# KiCad board LV08.kicad_pcb (continued)
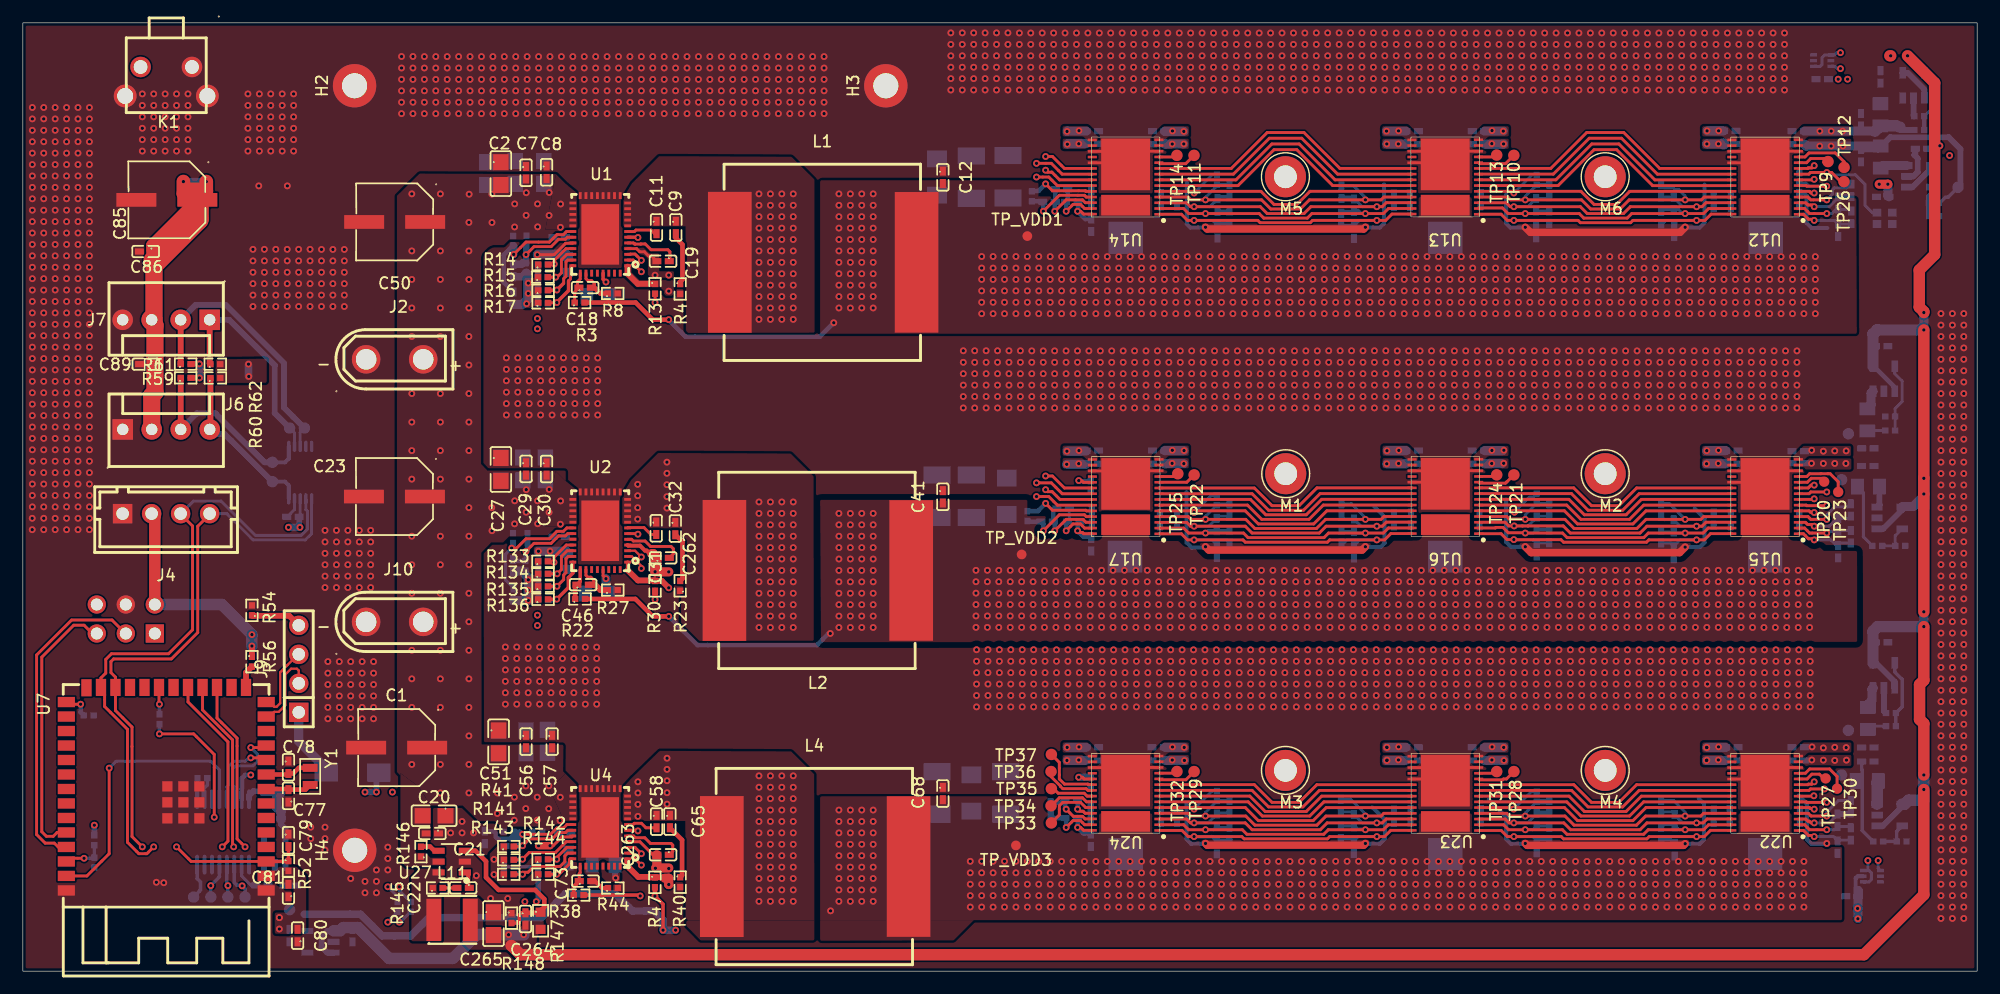
[diagram p0: board, top side]
## Routing (per net, layer and track width the routed paths; a pad name or vN(x,y) marks a point on that pad's centre or on a via; arc(x,y) is an arc through that point) (continued)
Net-(C114-Pad2): length 6.7
  Top w0.254: v1(89.36,66.59) 90.76,68 92.96,68 93.11,67.84 U14.25
  Bottom w0.4: v1(89.36,66.59) 89.36,67.37 C114.2 89.26,67.47 R78.1
Net-(C127-Pad1): length 5.5
  Top w0.254: v1(157.96,39.59) 156.56,39.59 156.32,39.84 U15.4
  Bottom w0.254: C127.1 159.79,40.7 158.68,40.7 157.96,39.98 v1(157.96,39.59)
Net-(C134-Pad2): length 28.6
  Top w0.254: U15.25 147.18,39.84 146.94,39.59 v1(145.56,39.59) 142.14,39.59 141.34,38.8 135.84,38.8 135.03,39.59 v1(131.56,39.59) 131.53,39.62 130.16,39.62 129.94,39.84 U16.4
  Bottom w0.254: v1(131.56,39.59) 131.56,39.99 R91.1 133.63,40.99 C135.1 ; v1(145.56,39.59) 144.19,40.97 C134.2
Net-(C142-Pad2): length 28.6
  Top w0.254: U17.4 102.05,39.83 102.28,39.59 v1(103.56,39.59) 107.09,39.59 107.89,38.8 113.28,38.8 114.08,39.59 v1(117.56,39.59) 118.94,39.59 119.18,39.84 U16.25
  Bottom w0.254: v1(103.56,39.59) 103.56,39.86 R92.1 104.66,40.96 C143.1 ; C142.2 116.34,40.96 117.56,39.74 v1(117.56,39.59)
Net-(C150-Pad2): length 7
  Top w0.254: U17.25 93.12,39.83 92.96,40 90.76,40 v1(89.36,38.59)
  Bottom w0.4: v1(89.36,38.59) 89.36,39.18 C150.2 88.02,39.4 R100.1
Net-(C208-Pad1): length 5.4
  Top w0.254: v1(157.96,13.59) 156.59,13.59 156.35,13.83 U22.4
  Bottom w0.254: v1(157.96,13.59) 157.96,13.94 158.98,14.96 C208.1
Net-(C215-Pad2): length 28.7
  Top w0.254: U22.25 147.17,13.83 146.94,13.59 v1(145.56,13.59) 142.1,13.59 141.3,12.8 135.84,12.8 135.03,13.59 v1(131.56,13.59) 130.19,13.59 129.95,13.83 U23.4
  Bottom w0.254: v1(145.56,13.59) 145.56,13.94 144.54,14.96 C215.2 ; R117.1 131.56,13.85 v1(131.56,13.59)
  Bottom w0.508: C216.1 133.55,14.85 R117.1
Net-(C223-Pad2): length 28.8
  Top w0.254: U23.25 119.17,13.83 118.94,13.59 v1(117.56,13.59) 114.11,13.59 113.31,12.8 107.89,12.8 107.09,13.59 v1(103.56,13.59) 102.28,13.59 102.04,13.84 U24.4
  Bottom w0.254: v1(117.56,13.59) 117.56,13.78 116.27,15.07 116.27,15.07 C223.2 ; v1(103.56,13.59) 103.56,13.92 R118.1 104.6,14.96 C224.1
Net-(C231-Pad2): length 2.3
  Top w0.254: v1(92.36,14.2) 92.53,14.02 92.84,14.02 93.02,13.84 U24.25
  Bottom w0.4: C231.2 92.36,15.02 v1(92.36,14.2)
Net-(D1-A): length 6.2
  Bottom w0.8: D1.1 26.56,17.75 24.16,20.15 J9.1
Net-(J9-Pad4): length 4.5
  Top w0.508: J9.4 23.32,31.15 20.1,31.15 R54.1
Net-(U1-ADRSEL): length 5.1
  Top w0.254: 47.32,60.25 47.36,60.3 47.36,60.7 47.56,60.9 47.56,62.17 47.71,62.32 U1.31
  Top w0.3: R16.2 46.49,59.67 46.51,59.7 v1(46.76,59.7) 47.32,60.25
  Bottom w0.254: v1(46.76,59.7) 45.99,59.7 R9.2
Net-(U1-AVIN): length 11.6
  Top w0.254: U1.26 47.61,64.82 47.34,64.55 46.76,64.55 46.11,63.9 44.06,63.9 v1(42.98,62.82) 42.96,62.8
  Bottom w0.4: R1.1 42.91,63.57 42.11,62.77 42.11,60.37 C10.1
  Bottom w0.65: v1(42.98,62.82) 42.98,63.52 R1.1
Net-(U1-BOOT): length 2.7
  Top w0.254: C11.2 55.33,64.63 55,64.95 53.69,64.95 53.55,64.82 U1.7
Net-(U1-BP1V5): length 21.2
  Top w0.254: U1.4 53.74,63.32 54.02,63.05 54.42,63.05 54.78,62.69 55.04,62.69 C19.2
  In2.Cu w0.508: v1(56.56,61) v1(55.36,61) 55.36,60.3 51.36,56.3 v1(45.06,56.3)
  In2.Cu w0.65: v1(45.06,57.2) v1(45.06,56.3)
  Bottom w0.508: R6.1 R10.1
Net-(U1-DRTN): length 4.9
  Top w0.254: U1.5 53.46,63.82 53.55,63.73 53.6,63.73 53.62,63.72 54.1,63.72 54.12,63.73 54.5,63.73 55.01,63.23 56.48,63.23 56.66,63.05 56.66,62.27 C19.1
Net-(U1-EN/UVLO): length 7.4
  Top w0.254: v1(44.06,62.8) 44.76,63.5 46.26,63.5 46.91,64.15 47.51,64.15 47.68,64.32 U1.27
  Bottom w0.508: R2.1 44.06,63.54 R5.2
  Bottom w0.65: R5.2 43.76,62.06 43.65,61.95 C17.2
Net-(U1-GOSNS/SLAVE): length 3.5
  Top w0.254: U1.34 49.31,60.69 49.48,60.52 49.8,60.52 50.04,60.28 50.04,60.16 C18.2
  Top w0.4: C18.2 50.05,59.9 50.56,59.39 R8.1
Net-(U1-MSEL1): length 5.5
  Top w0.254: 48.06,61.82 U1.32 47.96,61.62 47.96,60.67 47.79,60.5 ; v1(46.76,58.6) 46.74,58.6 46.71,58.57 R17.2
  Top w0.3: v1(46.76,58.6) 46.76,58.62 47.79,59.65 47.79,60.5
  Bottom w0.254: R10.2 46.06,58.62 46.74,58.62 v1(46.76,58.6)
Net-(U1-MSEL2): length 3.7
  Top w0.254: 46.16,61.92 R14.2 46.04,61.97 v1(46.53,61.97) 46.53,62.29 47.56,63.32 U1.29
  Bottom w0.254: 46.58,61.97 v1(46.53,61.97) R6.2
Net-(U1-VDD5): length 6.3
  Top w0.254: U1.28 48.13,63.79 47.53,63.79 46.53,62.79 v1(45.05,62.79)
  Bottom w0.8: v1(45.05,62.79) 45.1,62.84 47.54,62.84 C16.2
Net-(U1-VOSNS): length 2.9
  Top w0.254: R3.1 48.32,59.51 48.69,59.88 C18.1 48.57,60.03 48.57,60.43 48.81,60.67 U1.33
Net-(U1-VSEL): length 4.4
  Top w0.254: R15.2 v1(46.66,60.82) 46.79,60.82 47.16,61.2 47.16,62.35 47.63,62.82 U1.30
  Bottom w0.254: v1(46.66,60.82) R7.2
Net-(U2-ADRSEL): length 5
  Top w0.254: U2.31 47.76,36.35 47.56,36.15 47.56,34.92 47.36,34.72 47.36,34.32 v1(46.77,33.73) R135.2
  Bottom w0.4: R131.2 46.07,33.73 v1(46.77,33.73)
Net-(U2-AVIN): length 10.6
  Top w0.254: U2.26 47.64,38.85 47.34,38.55 46.76,38.55 46.11,37.9 44.06,37.9 43.24,37.08 v1(42.8,37.08)
  Bottom w0.254: C33.1 42.96,33.59 42.28,34.27 42.28,36.56 v1(42.8,37.08) 42.92,37.19 R20.1
Net-(U2-BOOT): length 2.8
  Top w0.254: C31.2 55,38.27 54.99,38.27 54.39,38.87 52.98,38.87 U2.7
Net-(U2-BP1V5): length 25.6
  Top w0.35: U2.4 53.01,37.29 54.04,37.29 54.47,36.86 54.63,36.86 54.75,36.73 55.31,36.73 55.52,36.53 C262.1
  Top w0.8: v1(56.56,35) 55.67,35 55.52,35.15 ; 55.52,35.15 55.37,35 v1(55.36,35) 55.36,36.43 55.2,36.59 55.06,36.59 ; 55.52,35.15 C262.1
  In2.Cu w0.508: v1(45.06,31.2) v1(45.06,30.3)
  In2.Cu w0.65: v1(45.06,30.3) 51.36,30.3 55.36,34.3 v1(55.36,35)
  Bottom w0.508: R129.1 R132.1
  Bottom w0.65: v1(56.56,35) 55.37,35 v1(55.36,35)
Net-(U2-DRTN): length 5.3
  Top w0.254: U2.5 53.31,37.85 53.46,37.7 54.49,37.7 54.96,37.22 56.76,37.22 56.96,37.02 56.96,36.57 C262.2
Net-(U2-EN/UVLO): length 7.5
  Top w0.254: v1(44.06,36.8) 44.76,37.5 46.26,37.5 46.91,38.15 47.51,38.15 47.71,38.35 U2.27
  Bottom w0.4: C40.2 43.05,35.95 R24.2 44.06,36 v1(44.06,36.8) 44.19,36.92 R21.1
Net-(U2-GOSNS/SLAVE): length 3.6
  Top w0.254: 50.11,33.87 49.99,33.99 49.99,34.28 49.74,34.53 49.47,34.53 49.31,34.69 U2.34
  Top w0.508: C46.2 50.11,33.87 50.58,33.4 R27.1
Net-(U2-MSEL1): length 5.4
  Top w0.3: R136.2 46.74,32.59 v1(46.75,32.6) 47.77,33.62 47.77,34.49 48.16,34.88 U2.32
  Bottom w0.4: R132.2 46.67,32.52 v1(46.75,32.6)
Net-(U2-MSEL2): length 3.3
  Top w0.254: U2.29 47.59,37.35 46.51,36.27 v1(46.51,35.83) 46.07,35.83 R133.2 46.16,35.92
Net-(U2-VDD5): length 4.3
  Bottom w0.508: C45.2 47.55,36.81 v1(46.17,36.81)
  Bottom w0.8: C45.2 47.56,36.8 v1(45.15,36.8)
Net-(U2-VOSNS): length 2.8
  Top w0.3: U2.33 48.81,34.16 C46.1
  Top w0.4: R22.1 48.36,33.72 48.51,33.87 C46.1
Net-(U2-VSEL): length 4.5
  Top w0.254: U2.30 47.66,36.85 47.16,36.34 47.16,35.2 v1(46.79,34.82) R134.2
  Bottom w0.4: R130.2 46.01,34.82 v1(46.79,34.82)
Net-(U4-ADRSEL): length 7
  Top w0.254: U4.31 47.71,10.35 47.46,10.09 47.46,9.59 47.04,9.17 44.74,9.17 44.24,8.67 43.76,8.67 43.58,8.49 R143.2
  Bottom w0.4: R139.2 43.72,8.52 v1(43.76,8.49)
Net-(U4-AVIN): length 11.3
  Top w0.254: U4.26 47.64,12.85 47.34,12.55 46.76,12.55 46.21,12 v1(43.76,12)
  Bottom w0.4: v1(43.76,12) 43.36,11.6 ; v1(43.76,12) 43.54,12.22 R36.1 42.98,11.93 ; v1(43.76,12) 43.38,12 43.32,11.94 ; 43.36,11.6 43.03,11.93 42.98,11.93 ; 43.36,11.6 43.31,11.54 42.73,11.54 42.66,11.61 ; 42.98,11.93 42.66,11.61 ; 42.66,11.61 41.57,11.61 41.42,11.76 41.42,12.09 41.25,12.27 C66.1
Net-(U4-BOOT): length 2.7
  Top w0.254: C58.2 54.56,12.57 54.17,12.96 53.53,12.96 53.42,12.85 U4.7
Net-(U4-BP1V5): length 27.3
  Top w0.254: U4.4 52.96,11.34 54.04,11.34 55.17,10.2 C263.2
  Top w0.8: 55.41,9.05 56.56,9.04 ; C263.2 55.52,9.15
  In2.Cu w0.65: v1(43.96,6.09) v1(44.96,6.09) 45.36,6.5 47.56,6.5 48.46,7.4 53.09,7.4 53.68,8 54.66,8 55.36,8.7 55.36,8.99 v1(55.39,9.02) 55.41,9 v1(56.56,9)
  Bottom w0.3: 42.13,9.22 42.2,9.15 45.06,9.15 45.13,9.22
  Bottom w0.508: R138.1 R140.1 45.13,6.26 v1(44.96,6.09) ; R139.1 R137.1
Net-(U4-DRTN): length 5.3
  Top w0.254: C263.1 56.91,10.5 56.91,11.05 56.76,11.2 54.96,11.2 54.46,11.7 53.63,11.7 53.48,11.85 U4.5
Net-(U4-EN/UVLO): length 7.3
  Top w0.254: R41.2 43.69,10.93 v1(43.76,11) 44.36,11.59 46.36,11.59 46.91,12.15 47.51,12.15 47.71,12.35 U4.27
  Bottom w0.35: R37.1 44.63,11.86 v1(43.76,11)
Net-(U4-GOSNS/SLAVE): length 1.7
  Top w0.35: R44.1 50.71,7.29 50.1,7.9 C73.2
Net-(U4-MSEL1): length 3.7
  Top w0.254: U4.32 47.94,9.85 47.86,9.77 47.86,9.4 46.96,8.5 v1(46.75,8.5) R144.2
  Bottom w0.4: v1(46.75,8.5) 46.02,8.5 R140.2
Net-(U4-MSEL2): length 6.6
  Top w0.254: U4.29 47.59,11.35 46.63,10.4 44.34,10.4 43.7,9.76 R141.2
  Bottom w0.4: R137.2 43.72,9.77 v1(43.76,9.81)
Net-(U4-VDD5): length 4.3
  Top w0.254: v1(45.16,11) 46.44,11 47.21,11.76 48.07,11.76 U4.28
  Top w0.65: v1(45.16,11) v1(46.16,11)
Net-(U4-VOSNS): length 2.8
  Top w0.254: U4.33 48.8,8.63 48.72,8.55 C73.1
  Top w0.35: C73.1 48.24,7.41 R38.1
Net-(U4-VSEL): length 3.4
  Top w0.254: U4.30 47.64,10.85 46.59,9.8 R142.2
  Bottom w0.4: v1(46.75,9.81) 46,9.81 R138.2
Net-(U7-IO3): length 2
  Top w0.508: R56.2 19.54,26.17 U7.15
Net-(U8-DIR4): length 3.2
  Bottom w0.3: TP4.1 15.46,7 15.46,7.02 15.56,7.12 15.56,7.82 15.26,8.12 U8.8
Net-(U8-OE#): length 1.9
  Bottom w0.3: R58.2 15.29,15.1 U8.9
Net-(U12-ADDR0): length 3.1
  Top w0.254: U12.10 156.19,70.85 156.56,71.22 157.78,71.22 158.01,71 ; 157.96,70.9 157.68,70.9
Net-(U12-ADDR1): length 5
  Top w0.254: TP12.1 159.48,70.93 158.7,71.71 156.41,71.71 156.05,71.35 U12.11
Net-(U12-BO): length 24.8
  Top w0.254: U13.6 134.44,68.85 137.59,72 139.56,72 142.71,68.84 U12.23
Net-(U12-CLKO): length 24.8
  Top w0.254: U13.8 134.02,69.85 137.16,73 139.99,73 143.13,69.85 U12.21
Net-(U12-CO): length 24.8
  Top w0.254: U12.20 143.33,70.35 140.19,73.5 136.94,73.5 133.79,70.35 U13.9
Net-(U12-NRSTO): length 25.8
  Top w0.254: U12.24 140.71,68.34 139.56,67.2 137.59,67.2 136.43,68.35 U13.5
  Bottom w0.254: R76.2 132.14,69.77 v1(130.56,68.2)
Net-(U12-RI): length 24.8
  Top w0.254: U13.7 134.24,69.35 137.39,72.5 139.76,72.5 142.91,69.35 U12.22
Net-(U12-VDD1_0): length 5
  Top w0.254: U12.1 155.92,66.33 156.36,65.9 156.76,65.9 v1(156.86,65.8)
  Bottom w0.254: v1(156.86,65.8) 158.63,65.8 C94.1 160.06,65.47 C93.2
Net-(U12-VDD1_1): length 29.4
  Top w0.254: U13.1 129.44,66.34 129.99,65.8 v1(130.56,65.8) 136.19,65.8 136.39,65.59 140.78,65.59 140.99,65.8 v1(146.56,65.8) 147.28,65.8 147.84,66.35 U12.28
  Bottom w0.254: C96.1 143.58,65.5 143.87,65.8 144.39,65.8 144.56,65.62 144.74,65.8 v1(146.56,65.8) ; v1(130.56,65.8) 133.39,65.8 C101.2
Net-(U12-VDD2_0): length 5.1
  Top w0.254: U12.2 156.02,66.84 156.46,66.4 v1(157.96,66.4)
  Bottom w0.254: v1(157.96,66.4) 158.41,66.4 158.89,66.88 159,66.88 159.14,66.75 159.98,66.75 C93.1
Net-(U12-VDD2_1): length 27.4
  Top w0.254: U12.27 147.61,66.84 147.17,66.4 v1(145.56,66.4) 140.89,66.4 140.49,66 136.69,66 136.28,66.4 v1(131.56,66.4) 130.05,66.4 129.56,66.89 127.51,66.89 U13.2
  Bottom w0.254: C96.2 143.59,66.72 C97.1 145.01,66.72 145.34,66.4 v1(145.56,66.4) ; v1(131.56,66.4) 132.28,66.4 C100.2 133.65,66.63 C101.1
Net-(U12-VDD3_0): length 5.2
  Top w0.254: U12.3 156.12,67.34 156.31,67.15 156.71,67.15 v1(156.86,67)
  Bottom w0.254: C92.1 158.96,67.78 158.18,67 v1(156.86,67)
  Bottom w0.508: C92.1 160.1,67.87 C91.2
Net-(U12-VDD3_1): length 29.9
  Top w0.254: U13.3 129.9,67.34 130.24,67 v1(130.56,67) 136.39,67 136.99,66.4 140.16,66.4 140.76,67 v1(146.56,67) 147.03,67 147.39,67.35 U12.26
  Bottom w0.254: C98.1 144.53,67.85 C97.2 144.56,67.78 145.34,67 v1(146.56,67) ; C99.2 133.51,67.72 C100.1 131.78,67 v1(130.56,67)
Net-(U13-ADDR0): length 3.4
  Top w0.254: TP10.1 129.83,70.77 127.55,70.77 U13.10
Net-(U13-ADDR1): length 1.7
  Top w0.254: U13.11 128.92,71.36 129.06,71.5
Net-(U13-BO): length 24.8
  Top w0.254: U13.23 114.7,68.85 111.55,72 109.56,72 106.41,68.84 U14.6
Net-(U13-CLKO): length 24.8
  Top w0.254: U13.21 115.13,69.85 111.99,73 109.15,73 106,69.85 U14.8
Net-(U13-CO): length 24.8
  Top w0.254: U13.20 115.33,70.35 112.19,73.5 108.96,73.5 105.82,70.35 U14.9
Net-(U13-NRSTO): length 25.8
  Top w0.254: U14.5 108.41,68.34 109.56,67.2 111.56,67.2 112.71,68.35 U13.24
  Bottom w0.254: v1(102.56,68.2) 104.17,69.8 R77.2
Net-(U13-RI): length 24.8
  Top w0.254: U14.7 106.22,69.35 109.37,72.5 111.76,72.5 114.91,69.35 U13.22
Net-(U13-VDD1_1): length 29.5
  Top w0.254: U14.1 101.45,66.33 101.99,65.8 v1(102.56,65.8) 108.14,65.8 108.34,65.59 112.74,65.59 112.94,65.8 v1(118.56,65.8) 119.34,65.8 119.89,66.35 U13.28
  Bottom w0.254: C109.2 104.78,65.52 C110.1 104.17,65.8 v1(102.56,65.8) ; v1(118.56,65.8) 117.04,65.8 C103.2
  Bottom w0.3: C104.1 116.55,65.32 C103.2
Net-(U13-VDD2_1): length 27.4
  Top w0.254: U13.27 119.58,66.84 119.14,66.4 v1(117.56,66.4) 112.88,66.4 112.48,66 108.66,66 108.26,66.4 v1(103.56,66.4) 102.09,66.4 101.64,66.84 U14.2
  Bottom w0.254: C109.1 104.63,66.62 C108.2 104.41,66.4 v1(103.56,66.4) ; v1(117.56,66.4) 117.21,66.4 116.91,66.7 116.68,66.7 C105.1
  Bottom w0.3: C104.2 115.59,66.57 C105.1
Net-(U13-VDD3_1): length 29.8
  Top w0.254: U14.3 101.9,67.34 102.24,67 v1(102.56,67) 108.36,67 108.96,66.4 112.19,66.4 112.78,67 v1(118.56,67) 119.03,67 119.39,67.35 U13.26
  Bottom w0.254: v1(118.56,67) 117.28,67 116.61,67.67 C105.2 ; v1(102.56,67) 103.91,67 C108.1 104.79,67.87 C107.2
  Bottom w0.508: C106.1 116.5,67.72 C105.2
Net-(U14-ADDR0): length 3.4
  Top w0.254: TP11.1 101.83,70.77 99.56,70.77 U14.10
Net-(U14-ADDR1): length 1.6
  Top w0.254: U14.11 100.92,71.35 TP14.1
Net-(U14-VDD1_1): length 3.7
  Top w0.254: U14.28 92.88,66.35 92.64,66.59 v1(92.36,66.59)
  Bottom w0.4: C112.1 92.4,66.64 v1(92.36,66.59) 93.03,65.92 C111.2
Net-(U14-VDD2_1): length 4.7
  Top w0.254: v1(91.36,66.59) 91.96,67.2 92.61,67.2 92.97,66.84 U14.27
  Bottom w0.4: C113.1 91.5,67.61 C112.2 91.36,67.37 v1(91.36,66.59)
Net-(U14-VDD3_1): length 5.8
  Top w0.254: U14.26 93.03,67.35 92.78,67.59 91.36,67.59 v1(90.36,66.59)
  Bottom w0.4: v1(90.36,66.59) 90.36,67.38 C114.1 90.41,67.43 C113.2
Net-(U15-ADDR0): length 2.7
  Top w0.254: U15.10 156.26,42.85 156.61,43.2 157.57,43.2 157.86,42.9
Net-(U15-ADDR1): length 4.8
  Top w0.254: TP23.1 158.96,42.89 158.26,43.59 158.06,43.59 158.06,43.6 157.46,43.6 157.46,43.59 156.46,43.59 156.22,43.35 U15.11
Net-(U15-BO): length 23.2
  Top w0.254: U15.23 141.93,40.84 140.69,39.59 136.44,39.59 135.18,40.85 U16.6
Net-(U15-CLKO): length 23.4
  Top w0.254: U16.8 135.6,41.85 137.06,40.4 140.09,40.4 141.53,41.84 U15.21
Net-(U15-CO): length 23.5
  Top w0.254: U16.9 135.8,42.35 137.36,40.8 139.76,40.8 141.31,42.35 U15.20
Net-(U15-NRSTO): length 25.8
  Top w0.254: U16.5 134.98,40.35 136.14,39.2 140.99,39.2 142.13,40.34 U15.24
  Bottom w0.254: v1(130.61,40.22) 130.61,40.25 131.91,41.55 132.25,41.55 R91.2
Net-(U15-RI): length 23.3
  Top w0.254: U16.7 135.38,41.35 136.74,40 140.39,40 141.73,41.34 U15.22
Net-(U15-VDD1_0): length 5.1
  Top w0.254: v1(156.86,37.8) 156.81,37.8 156.71,37.9 156.36,37.9 155.92,38.33 U15.1
  Bottom w0.254: v1(156.86,37.8) 158.31,37.8 158.79,37.32 C130.1 159.17,37.52 C129.2
Net-(U15-VDD1_1): length 29.5
  Top w0.254: U16.1 129.44,38.34 129.96,37.82 v1(130.56,37.82) 130.56,37.82 134.69,37.82 134.91,37.59 142.18,37.59 142.38,37.8 v1(146.56,37.8) 147.24,37.8 147.78,38.34 U15.28
  Bottom w0.254: C137.2 132.63,37.54 C131.2 132.26,37.77 130.61,37.77 v1(130.56,37.82) ; C132.1 144.27,37.53 C138.1 145.12,37.8 v1(146.56,37.8)
Net-(U15-VDD2_0): length 4.9
  Top w0.254: v1(157.96,38.4) 156.46,38.4 156.02,38.83 U15.2
  Bottom w0.254: v1(157.96,38.4) 158.11,38.55 158.93,38.55 C128.2 159,38.62 C129.1
Net-(U15-VDD2_1): length 27.4
  Top w0.254: U15.27 147.57,38.83 147.14,38.4 v1(145.56,38.4) 142.34,38.4 141.94,38 135.22,38 134.82,38.4 v1(131.56,38.4) 131.53,38.42 130.07,38.42 129.61,38.89 128.99,38.89 128.95,38.84 U16.2
  Bottom w0.254: C137.1 133.57,38.72 C136.2 132.24,38.4 v1(131.56,38.4) ; C132.2 143.61,38.47 C133.1 144.64,38.4 v1(145.56,38.4)
Net-(U15-VDD3_0): length 5.1
  Top w0.254: U15.3 156.09,39.34 156.28,39.15 156.71,39.15 v1(156.86,39)
  Bottom w0.254: v1(156.86,39) 158.16,39 158.18,39.02 158.2,39.02 158.85,39.67 C128.1 159.85,39.67 C127.2
Net-(U15-VDD3_1): length 29.9
  Top w0.254: U15.26 147.38,39.34 147.03,39 v1(146.56,39) 142.21,39 141.61,38.4 135.51,38.4 134.89,39.02 131.8,39.02 131.8,39.02 131.32,39.02 131.32,39.02 v1(130.59,39.02) 130.12,39.02 129.79,39.34 U16.3
  Bottom w0.254: v1(130.59,39.02) 130.59,39.02 131.8,39.02 132.56,39.78 C136.1 132.62,39.87 C135.2 ; C134.1 143.77,39.57 C133.2 145.13,39 v1(146.56,39)
Net-(U16-ADDR0): length 3.4
  Top w0.254: U16.10 127.57,42.77 129.83,42.77 129.94,42.88 129.95,42.88 TP21.1
Net-(U16-ADDR1): length 1.6
  Top w0.254: U16.11 128.93,43.36 TP24.1
Net-(U16-BO): length 23.2
  Top w0.254: U16.23 113.88,40.85 112.62,39.59 108.49,39.59 107.24,40.84 99.5,40.84 U17.6
Net-(U16-CLKO): length 23.4
  Top w0.254: U16.21 113.59,41.85 112.14,40.4 109.09,40.4 107.64,41.84 U17.8
Net-(U16-CO): length 23.4
  Top w0.254: U16.20 113.32,42.35 111.76,40.8 109.39,40.8 107.84,42.34 U17.9
Net-(U16-NRSTO): length 25.7
  Top w0.254: U17.5 99.5,40.34 107.03,40.34 108.19,39.2 113.03,39.2 114.19,40.35 U16.24
  Bottom w0.254: R92.2 104.07,41.7 v1(102.56,40.2)
Net-(U16-RI): length 23.3
  Top w0.254: U17.7 99.49,41.34 107.49,41.34 108.84,40 112.38,40 113.73,41.35 U16.22
Net-(U16-VDD1_1): length 30.5
  Top w0.254: U16.28 119.79,38.35 119.24,37.8 v1(118.56,37.8) 114.44,37.8 114.24,37.59 107.04,37.59 106.84,37.8 v1(102.56,37.8) 101.99,37.8 101.45,38.33 U17.1
  Bottom w0.254: C140.1 115.69,37.53 115.96,37.8 117.06,37.8 ; v1(118.56,37.8) 117.06,37.8 ; 117.06,37.8 C139.2 ; v1(102.56,37.8) 104.13,37.8 ; 104.13,37.8 C146.1 ; 104.13,37.8 105.39,37.8 C145.2
Net-(U16-VDD2_1): length 27.2
  Top w0.254: U17.2 101.65,38.83 102.09,38.4 v1(103.56,38.4) 106.89,38.4 107.28,38 113.94,38 114.34,38.4 v1(117.56,38.4) 119.14,38.4 119.58,38.84 U16.27
  Bottom w0.254: C140.2 115.56,38.52 C141.1 116.69,38.4 v1(117.56,38.4) ; C145.1 104.55,38.61 C144.2 103.76,38.6 v1(103.56,38.4)
Net-(U16-VDD3_1): length 29.9
  Top w0.254: U17.3 101.9,39.33 102.24,39 v1(102.56,39) 107.04,39 107.64,38.4 113.52,38.4 114.12,39 v1(118.56,39) 119.03,39 119.39,39.35 U16.26
  Bottom w0.254: v1(118.56,39) 117.18,39 C141.2 115.71,39.62 C142.1 ; C143.2 104.71,39.87 C144.1 103.84,39 v1(102.56,39)
Net-(U17-ADDR0): length 3.3
  Top w0.254: U17.10 101.92,42.85 TP22.1
Net-(U17-ADDR1): length 1.6
  Top w0.254: 101.06,43.5 100.92,43.35 U17.11
Net-(U17-INV_CLKO): length 2.3
  Top w0.254: v1(92.46,43) 92.49,42.97 92.74,42.97 92.86,42.84 U17.19
  Bottom w0.4: R150.1 92.52,42.94 v1(92.46,43)
Net-(U17-VDD1_1): length 3.8
  Top w0.254: U17.28 92.89,38.34 92.78,38.45 92.56,38.45 92.41,38.59 v1(92.36,38.59)
  Bottom w0.4: C147.2 93.41,38.07 92.89,38.07 v1(92.36,38.59) 92.36,39.19 C148.1
Net-(U17-VDD2_1): length 4.8
  Top w0.254: v1(91.36,38.59) 91.96,39.2 92.61,39.2 92.97,38.83 U17.27
  Bottom w0.254: C148.2 91.63,39.55 C149.1
  Bottom w0.4: v1(91.36,38.59) 91.36,39.28 C148.2
Net-(U17-VDD3_1): length 5.8
  Top w0.254: U17.26 93.09,39.34 92.84,39.59 91.36,39.59 v1(90.36,38.59)
  Bottom w0.4: v1(90.36,38.59) 90.36,39.27 C150.1 90.23,40.44 90.31,40.52
Net-(U18-FB): length 5.5
  Bottom w0.254: U18.5 167.16,78.07 167.16,75.59 R95.2
  Bottom w0.35: R95.2 R94.1
Net-(U19-FB): length 2.6
  Bottom w0.508: U19.5 167.17,68.13 166.91,67.87 R96.1 166.91,66.19 R97.2
Net-(U19-SW): length 2.4
  Bottom w0.8: L6.1 162.91,70.61 U19.3
Net-(U20-FB): length 6.2
  Bottom w0.254: R101.1 R102.2 163.94,49.3 164.56,49.92 164.56,51.72 163.91,52.37 U20.5
Net-(U20-SW): length 1.7
  Bottom w0.8: U20.3 161.84,50.65 161.84,49.61 L7.1
Net-(U21-FB): length 2.9
  Bottom w0.254: U21.5 163.96,38.17 R104.2 R103.1
Net-(U21-SW): length 1.9
  Bottom w0.508: L8.1 162.58,40.89 U21.3
Net-(U22-ADDR0): length 2.7
  Top w0.254: TP27.1 157.69,16.89 157.31,17.27 156.66,17.27 156.24,16.84 U22.10
Net-(U22-ADDR1): length 4.9
  Top w0.254: U22.11 156.09,17.35 156.46,17.72 158.21,17.72 158.86,17.07 TP30.1
Net-(U22-BO): length 23.2
  Top w0.254: U22.23 141.93,14.84 140.69,13.59 136.44,13.59 135.19,14.84 U23.6
Net-(U22-CLKO): length 23.4
  Top w0.254: U23.8 135.61,15.84 137.06,14.4 140.09,14.4 141.53,15.84 U22.21
Net-(U22-CO): length 23.4
  Top w0.254: U22.20 141.31,16.34 139.76,14.8 137.36,14.8 135.81,16.34 U23.9
Net-(U22-NRSTO): length 25.8
  Top w0.254: U23.5 134.99,14.34 136.14,13.2 140.99,13.2 142.14,14.34 149.63,14.34 U22.24
  Bottom w0.254: v1(130.55,14.2) 132.06,15.72 R117.2
Net-(U22-RI): length 23.3
  Top w0.254: U23.7 135.39,15.34 136.74,14 140.39,14 141.73,15.34 U22.22
Net-(U22-VDD1_0): length 5
  Top w0.254: v1(156.86,11.8) 156.76,11.9 156.36,11.9 155.93,12.33 U22.1
  Bottom w0.254: C210.2 158.96,11.48 C211.1 158.54,11.8 v1(156.86,11.8)
Net-(U22-VDD1_1): length 34.6
  Top w0.254: U22.28 147.78,12.34 147.24,11.8 v1(146.56,11.8) 142.41,11.8 142.21,11.59 134.91,11.59 134.71,11.8 v1(130.56,11.8) 129.99,11.8 129.45,12.33 U23.1
  Bottom w0.254: v1(146.56,11.8) 144.04,11.8 ; 144.04,11.8 144.64,11.19 C212.2 144.31,11.52 C213.1 143.73,11.8 144.04,11.8 ; C218.2 132.61,11.52 C219.1 132.24,11.8 v1(130.56,11.8) 133.39,11.8 C218.2
Net-(U22-VDD2_0): length 4.9
  Top w0.254: v1(157.96,12.4) 156.46,12.4 156.03,12.83 U22.2
  Bottom w0.254: C210.1 159.96,12.67 C209.2 158.63,12.4 v1(157.96,12.4)
Net-(U22-VDD2_1): length 27.5
  Top w0.254: U22.27 147.61,12.83 147.18,12.4 v1(145.56,12.4) 142.32,12.4 141.92,12 135.21,12 134.81,12.4 v1(131.56,12.4) 130.1,12.4 129.66,12.83 U23.2
  Bottom w0.254: C213.2 143.72,12.87 144.56,12.87 145.04,12.4 v1(145.56,12.4) ; C218.1 133.55,12.73 C217.2 132.23,12.4 v1(131.56,12.4)
Net-(U22-VDD3_0): length 5.1
  Top w0.254: v1(156.86,13) 156.59,13 156.44,13.15 156.31,13.15 156.12,13.33 U22.3
  Bottom w0.254: v1(156.86,13) 158.18,13 158.91,13.73 C209.1
  Bottom w0.508: C209.1 159.96,13.77 C208.2
Net-(U22-VDD3_1): length 29.8
  Top w0.254: U22.26 147.48,13.34 147.14,13 v1(146.56,13) 142.21,13 141.61,12.4 135.53,12.4 134.94,13 v1(130.56,13) 130.14,13 129.81,13.33 U23.3
  Bottom w0.254: C215.1 143.56,13.97 144.56,13.97 ; v1(146.56,13) 145.34,13 144.64,13.69 C214.2 ; v1(130.56,13) 131.78,13 132.56,13.78 C217.1
  Bottom w0.508: C216.2 133.61,13.82 C217.1
Net-(U23-ADDR0): length 3.4
  Top w0.254: 130.53,17.49 TP28.1 129.91,16.84 129.66,16.84 129.58,16.77 127.56,16.77 U23.10
Net-(U23-ADDR1): length 1.6
  Top w0.254: U23.11 128.91,17.35 TP31.1
Net-(U23-BO): length 23.2
  Top w0.254: U24.6 107.29,14.84 108.54,13.59 112.69,13.59 113.93,14.84 U23.23
Net-(U23-CLKO): length 23.4
  Top w0.254: U24.8 107.63,15.85 109.09,14.4 112.09,14.4 113.53,15.84 U23.21
Net-(U23-CO): length 23.5
  Top w0.254: U24.9 107.83,16.35 109.39,14.8 111.76,14.8 113.31,16.34 U23.20
Net-(U23-NRSTO): length 25.8
  Top w0.254: U23.24 114.13,14.34 112.99,13.2 108.19,13.2 107.04,14.34 U24.5
  Bottom w0.254: R118.2 104.14,15.79 v1(102.56,14.2)
Net-(U23-RI): length 23.3
  Top w0.254: U23.22 113.73,15.34 112.39,14 108.78,14 107.44,15.34 U24.7
Net-(U23-VDD1_1): length 29.5
  Top w0.254: U24.1 101.5,12.33 102.04,11.8 v1(102.56,11.8) 106.74,11.8 106.94,11.59 114.24,11.59 114.44,11.8 v1(118.56,11.8) 119.24,11.8 119.78,12.34 U23.28
  Bottom w0.254: C221.1 116.32,11.62 C220.2 116.95,11.8 v1(118.56,11.8)
  Bottom w0.3: v1(102.56,11.8) 104.14,11.8 C227.1
  Bottom w0.508: C227.1 105.51,11.37 C226.2
Net-(U23-VDD2_1): length 27.4
  Top w0.254: U23.27 119.57,12.83 119.14,12.4 v1(117.56,12.4) 114.31,12.4 113.91,12 107.19,12 106.78,12.4 v1(103.56,12.4) 102.09,12.4 101.65,12.83 U24.2
  Bottom w0.254: C221.2 116.64,12.72 116.91,12.45 117.5,12.45 v1(117.56,12.4) ; v1(103.56,12.4) 104.28,12.4 C225.2 104.63,12.61 C226.1
Net-(U23-VDD3_1): length 29.9
  Top w0.254: U24.3 101.9,13.34 102.24,13 v1(102.56,13) 107.04,13 107.64,12.4 113.61,12.4 114.21,13 v1(118.56,13) 119.03,13 119.38,13.34 U23.26
  Bottom w0.254: v1(102.56,13) 103.78,13 C225.1 104.66,13.87 C224.2 ; C222.2 117.3,12.98 118.55,12.98 v1(118.56,13) ; 116.56,13.97 115.42,13.97 C223.1
Net-(U24-ADDR0): length 3.4
  Top w0.254: U24.10 99.56,16.77 101.84,16.77 TP29.1
Net-(U24-ADDR1): length 1.6
  Top w0.254: U24.11 100.91,17.35 TP32.1
Net-(U24-INV_CLKO): length 2.3
  Top w0.254: v1(92.46,17) 92.78,17 92.94,16.84 U24.19
  Bottom w0.65: R119.1 93.45,17 v1(92.46,17)
Net-(U24-VDD1_1): length 3.6
  Top w0.254: U24.28 92.89,12.34 92.64,12.59 v1(92.36,12.59)
  Bottom w0.4: C228.2 93.46,12.07 92.89,12.07 v1(92.36,12.59) 92.36,13.42 C229.1
Net-(U24-VDD2_1): length 4.9
  Top w0.254: v1(91.36,12.59) 91.96,13.2 92.61,13.2 92.97,12.83 U24.27
  Bottom w0.4: v1(91.36,12.59) 91.36,13.32 C229.2 90.26,13.42 C230.1
Net-(U24-VDD3_1): length 4.9
  Top w0.254: U24.26 93.01,13.34 92.78,13.57 91.99,13.57 v1(91.36,14.2)
  Bottom w0.4: C230.2 91.01,14.77 C231.1 91.26,14.29 v1(91.36,14.2)
Net-(U25-FB): length 6
  Bottom w0.3: R121.1 R122.2 164.56,23.17 164.56,25.57 163.91,26.23 U25.5
Net-(U25-SW): length 1.9
  Bottom w0.8: U25.3 162.01,24.79 161.92,24.69 161.92,23.73 161.56,23.37 L9.1
Net-(U26-FB): length 2.7
  Bottom w0.3: R123.1 R124.2 164.08,12.25 U26.5
Net-(U26-SW): length 2.1
  Bottom w1: L10.1 162.36,16.56 U26.3
Net-(U27-BS): length 1.6
  Top w0.35: C22.1 39.01,7.39 39.01,8.44 38.79,8.65 U27.1
